# KiCad board RUSP_Mainboard.kicad_pcb (continued)
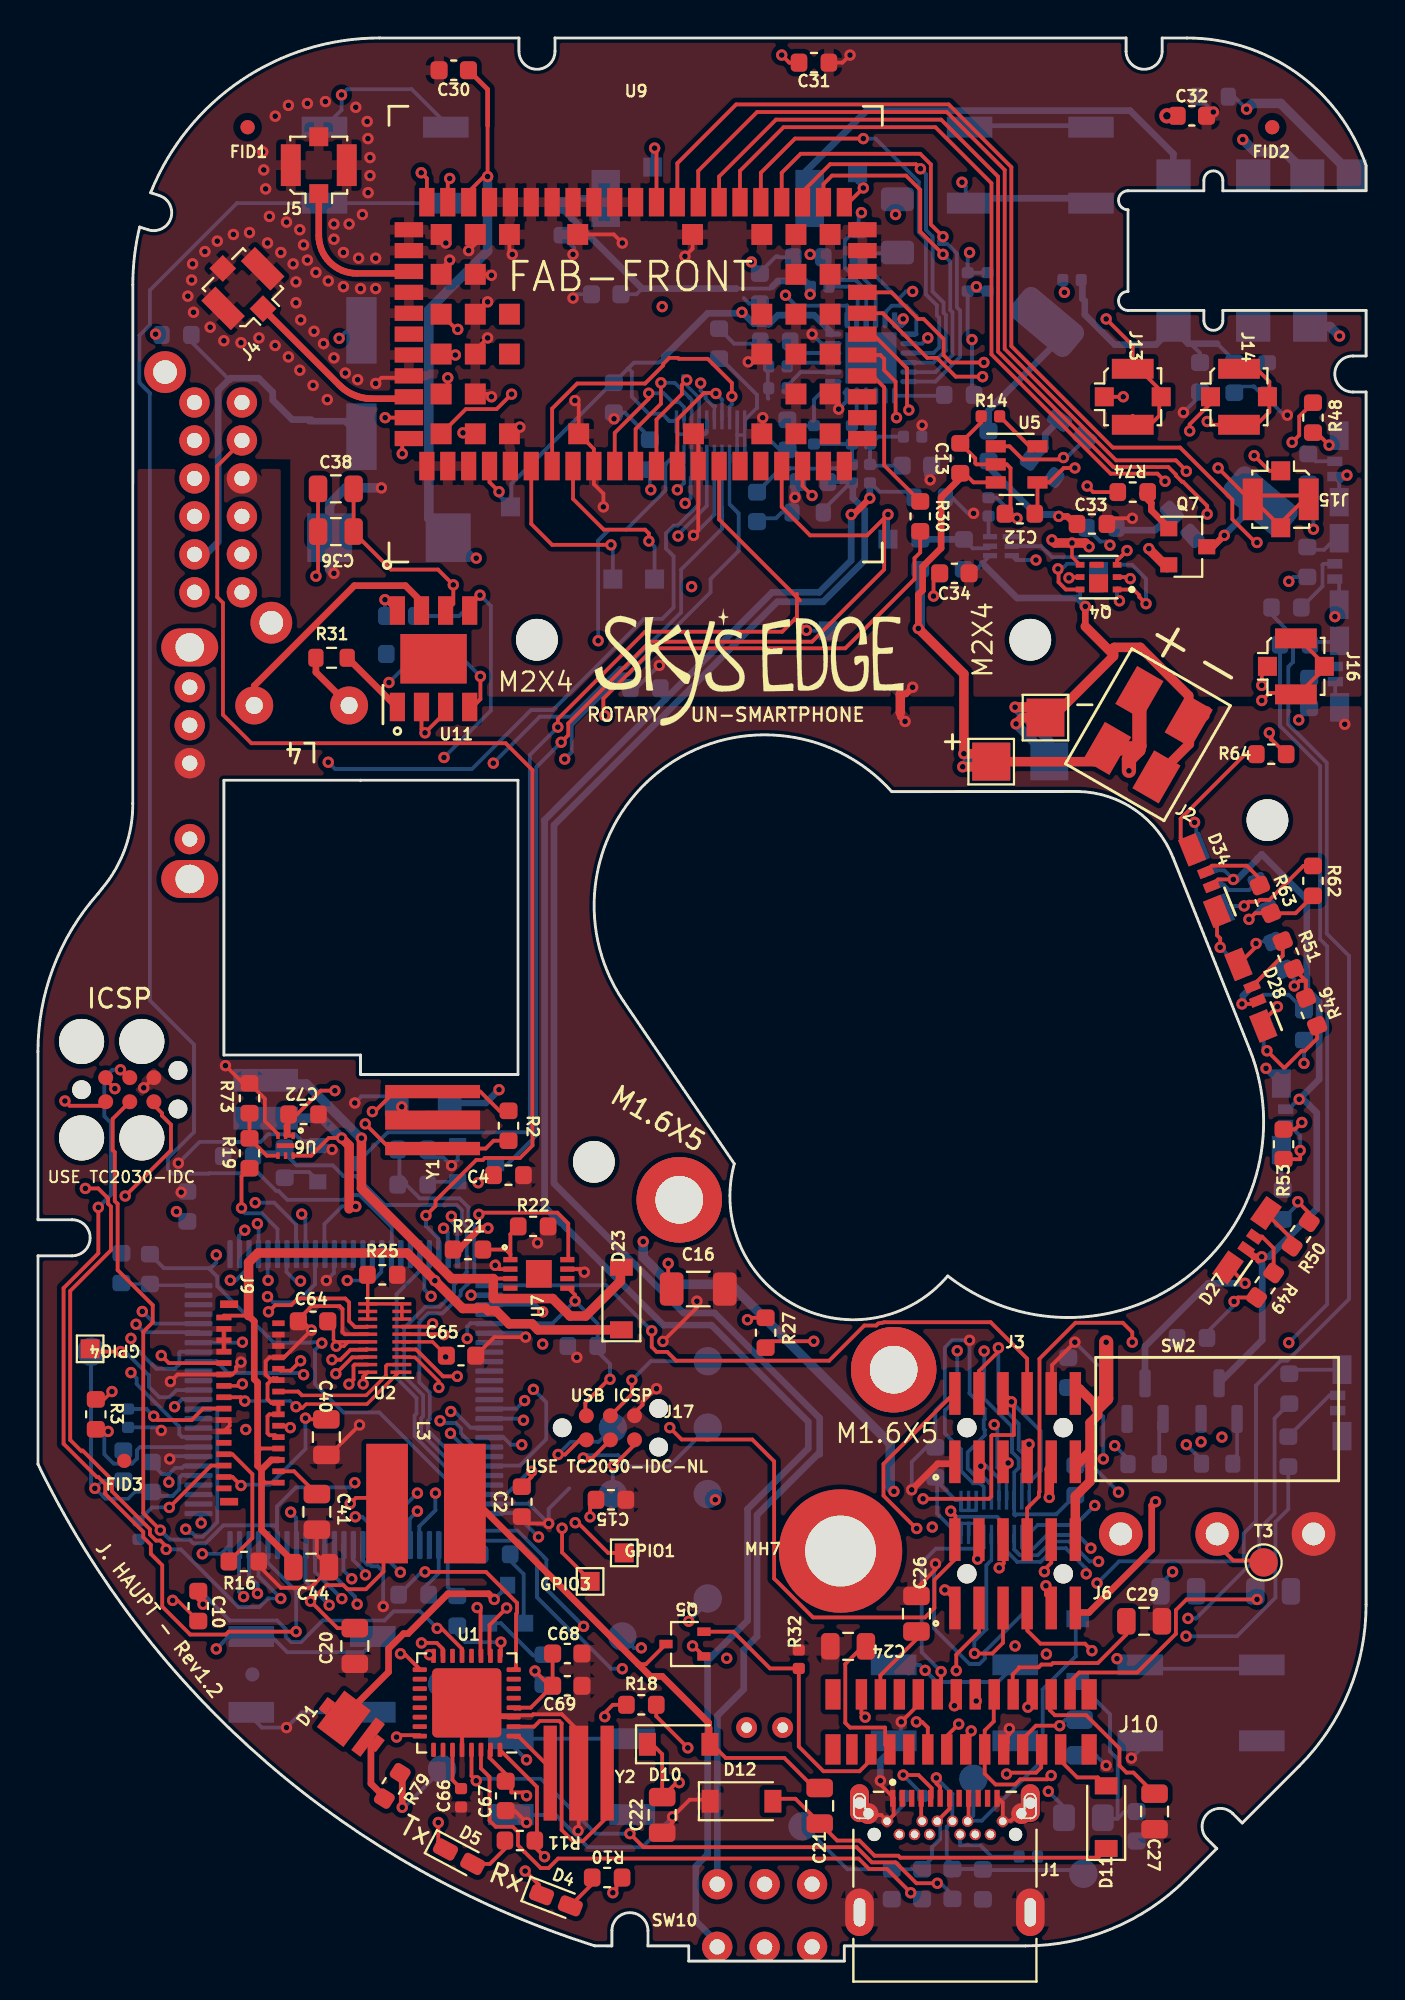
[diagram p0: board, top side]
## Routing (per net, layer and track width the routed paths; a pad name or vN(x,y) marks a point on that pad's centre or on a via; arc(x,y) is an arc through that point) (continued)
  L6_GND.Cu w0.2: v1(15.35,18.75) 14.1,20 14.1,21.95 ; R59.2 65.9,23.81 65.22,23.13 65.22,19.14 63.19,17.11 v1(60.51,17.11)
/LED_1R: length 67.6
  L2_3v3+GNDA.Cu w0.2: v1(16.02,19.09) 15.9,18.98 15.9,18.04 18.7,15.24 21.04,15.24 21.7,15.9 24.8,15.9 27.8,18.9 36.48,18.9 38.98,16.4 44.42,16.4 45.72,17.7 48.55,17.7 48.7,17.85 52.98,17.85 53.16,17.67 60.24,17.67 v1(60.61,18.05)
  L6_GND.Cu w0.2: R60.2 65.18,28.59 65.18,23.58 64.37,22.77 64.37,21.38 61.04,18.05 v1(60.61,18.05) ; 14.6,21.95 14.6,20.51 v1(16.02,19.09)
/LED_2A: length 111.5
  L2_3v3+GNDA.Cu w0.2: v1(16.83,18.8) 17.5,18.12 21.65,18.12 21.72,18.05 24.93,18.05 26.38,19.5 36.42,19.5 39.17,16.75 44.27,16.75 45.72,18.2 55.87,18.2 69.05,31.38 69.05,52.69 68.16,53.59 68.16,67.35 67.23,68.29 v1(67.23,75.42)
  L6_GND.Cu w0.2: 15.1,21.95 15.1,20.8 16.71,19.19 16.71,18.92 v1(16.83,18.8) ; 67.05,77.85 67.05,77.05 67.23,76.88 v1(67.23,75.42)
/LED_2R: length 116.3
  L1_GND+GNDA.Cu w0.2: R48.2 66.47,81.36 66.47,80.37 v1(66.1,80)
  L2_3v3+GNDA.Cu w0.2: v1(66.1,80) 63.65,77.55 63.65,71.37 67.81,67.21 67.81,53.44 68.7,52.55 68.7,32.98 58.83,23.1 58.83,21.65 55.73,18.55 45.96,18.55 45.92,18.6 45.63,18.6 44.13,17.1 39.32,17.1 36.57,19.85 24.53,19.85 24.28,19.6 21.63,19.6 21.29,19.26 18.01,19.26 17.89,19.13 17.33,19.13 17.05,19.41 17.05,19.63 v1(16.54,20.14)
  L6_GND.Cu w0.2: 16.1,21.95 16.1,20.58 v1(16.54,20.14)
/LED_3A: length 106.2
  L2_3v3+GNDA.Cu w0.2: 49.95,19 47.57,19 47.55,19.03 45.56,19.03 43.98,17.45 39.98,17.45 36.97,20.45 21.75,20.45 21.23,19.93 17.67,19.93 v1(17.26,20.34) ; 49.95,19 54.88,19 55.79,19.91 v1(55.82,19.91) ; 49.95,19 49.98,19.03
  L6_GND.Cu w0.2: R55.2 64.78,71.06 64.89,71.06 66.15,69.8 66.15,68.42 65.9,68.18 65.9,65.15 67.92,63.12 67.92,54.12 69.1,52.95 69.1,34.88 65.85,31.62 65.5,31.62 64.2,30.32 64.2,23.17 63.55,22.52 63.55,21.06 56.98,21.06 55.84,19.91 v1(55.82,19.91) ; 16.6,21.9 16.6,21.14 17.26,20.48 v1(17.26,20.34)
/LED_3R: length 107.8
  L3_3v8+GNDA.Cu w0.2: v1(65.92,72.67) 65.92,67.03 67.43,65.53 67.43,37.9 67.33,37.8 66.87,37.8 63.27,34.2 63.22,34.2 57.47,28.45 56.52,28.45 52.02,23.95 48.63,23.95 48.33,24.25 47.95,24.25 46.57,25.63 33.89,25.63 33.62,25.36 27.94,25.36 26.05,27.25 26.05,27.43 25.73,27.75 25.55,27.75 22.65,30.65 22.65,31.44 21.94,32.15 21.94,33.23 21.05,34.12 20.74,34.12 20.15,34.71 20.15,34.77 19.83,35.1 19.83,35.47 18.95,36.35 17.81,36.35 17.61,36.55 12.85,36.55 v1(10.9,38.5)
  L6_GND.Cu w0.2: R56.2 66.16,72.91 v1(65.92,72.67) ; v1(10.9,38.5) 10.6,38.2 10.6,37.25
/LED_4A: length 97.4
  L2_3v3+GNDA.Cu w0.2: v1(66.45,65.38) 66.51,65.31 66.51,62.01 66.6,61.92 66.6,52.78 67.65,51.73 67.65,35.38 62.28,30.01 48.33,30.01 46.5,28.17 42.92,28.17 42.75,28 37.2,28 33.11,32.09 32.71,32.09 32.5,32.3 29.68,32.3 28.63,31.25 23.4,31.25 21.73,29.58 15.3,29.58 v1(14,30.89)
  L6_GND.Cu w0.2: R57.2 66.45,65.46 v1(66.45,65.38) ; v1(14,30.89) 13.91,30.98 10.02,30.98 9.4,31.6 8.45,31.6
/LED_4R: length 90
  L2_3v3+GNDA.Cu w0.2: v1(65.92,32.57) 65.41,32.57 62.49,29.66 52.28,29.66 51.53,28.91 49.26,28.91 48.83,29.35 47.13,27.65 37.06,27.65 33.51,31.2 29.82,31.2 29.52,30.9 23.71,30.9 v1(21.76,28.95)
  L6_GND.Cu w0.2: R58.2 65.46,65.06 67.58,62.95 67.58,53.82 67.95,53.45 67.95,34.6 v1(65.92,32.57) ; 23.75,28.1 22.8,28.1 21.95,28.95 v1(21.76,28.95)
/LED_5A: length 40.5
  L2_3v3+GNDA.Cu w0.2: v1(25.59,28.49) 26.44,27.64 26.44,27.6 26.87,27.17 26.87,26.46 27.8,25.52 58.84,25.52 v1(60.52,27.2)
  L6_GND.Cu w0.2: v1(60.52,27.2) 61.33,26.4 R42.2 ; U4.90 25.5,28.57 v1(25.59,28.49)
/LED_5R: length 36.9
  L2_3v3+GNDA.Cu w0.2: v1(56.75,27.15) 56.07,27.15 55.54,26.62 52.06,26.62 51.78,26.9 43.64,26.9 43.54,26.8 35.58,26.8 34.88,26.1 32.49,26.1 31.35,27.25 27.28,27.25 26.79,27.74 26.79,28.39 v1(25.65,29.52)
  L6_GND.Cu w0.2: R43.2 57.45,26.45 v1(56.75,27.15) ; 23.75,29.1 25.23,29.1 v1(25.65,29.52)
/LED_BELL: length 1.4
  L6_GND.Cu w0.2: 22.1,21.95 23.05,21.95 23.4,21.6
/LED_FILAMENT: length 88
  L1_GND+GNDA.Cu w0.2: 57.21,77.38 55.62,77.38 v1(55.3,77.7)
  L4_GND.Cu w0.2: v1(55.3,77.7) 54.35,76.75 54.35,75.87 54.03,75.55 53.35,75.55 51.81,74.01 32.7,74.01 28.62,69.93 28.62,62.67 27.45,61.49 27.45,45.25 24.01,41.81 24.01,40.76 23.86,40.61 ; 23.9,40.65 23.55,40.3 22.9,40.3 22.34,39.74 22.34,38.68 18.25,34.58 14.37,34.58 13.5,33.71 13.5,32.4 12.1,31 9,31 v1(7.2,29.2)
  L6_GND.Cu w0.2: v1(7.2,29.2) 7.6,29.6 8.45,29.6
/LED_STAT: length 99.9
  L4_GND.Cu w0.2: v1(56.5,74.59) 56.5,73.3 55.1,71.9 47.98,71.9 47.13,71.05 31.94,71.05 31.09,71.9 28.97,69.79 28.97,62.52 27.8,61.35 27.8,45.1 24.36,41.66 24.36,40.61 23.63,39.88 22.98,39.88 22.69,39.6 22.69,35.62 22.6,35.62 22.28,35.3 22.28,35.18 21.43,34.33 20.63,34.33 19.7,33.4 19.7,31.9 15.92,28.12 15.05,28.12 12.53,25.6 10.35,25.6 7.79,23.04 v1(7.79,22.75)
  L6_GND.Cu w0.2: R44.2 55.99,74.78 56.31,74.78 v1(56.5,74.59) ; v1(7.79,22.75) 7.99,22.55 8.14,22.55 8.33,22.35 8.68,22.35 9.45,23.13 9.45,29.05 9.4,29.1 8.7,29.1
/MCURX-TO-FTDITX: length 2.8
  L6_GND.Cu w0.2: 21.6,21.9 21.6,19.7 22.05,19.25
/MCUTX-TO-FTDIRX: length 2.7
  L6_GND.Cu w0.2: 20.29,19.6 21.12,20.44 U4.3
/MISO: length 99.4
  L1_GND+GNDA.Cu w0.2: v1(51.14,26.24) 50.96,26.06 50.86,26.06 ; J7.1 3.36,45.05 1.67,45.05 v1(1.42,45.31) ; 2.3,26.85 1.7,27.45 1.7,35.3 3.85,37.45 3.85,39.74 3.7,39.89 3.7,40.18 3.18,40.7 v1(2.5,40.7) ; 2.35,26.9 3.9,25.35 3.9,24.75 5.9,22.75 5.9,22.47 6.22,22.15 6.45,22.15 6.76,21.84 v1(6.76,21.69)
  L2_3v3+GNDA.Cu w0.2: 34.1,18.2 28.2,18.2 25.2,15.2 21.99,15.2 21.33,14.54 17.79,14.54 13.22,19.1 v1(12.8,19.1) ; 34.1,18.2 35.63,18.2 38.13,15.7 44.71,15.7 46,17 48.84,17 48.94,17.1 49.73,17.1 49.78,17.05 51.05,17.05 v1(51.5,16.6) ; 34.1,18.2 34.1,18.1 v1(34.3,17.9) ; v1(2.5,40.7) 3.9,42.1 3.9,44 2.85,45.05 1.67,45.05 v1(1.42,45.31)
  L5_3v8.Cu w0.2: 51.45,16.85 51.45,16.5 ; 51.45,16.85 51.45,16.85 ; 51.45,16.85 51.45,19.6 51.62,19.77 51.62,25.75 v1(51.14,26.24)
  L6_GND.Cu w0.2: U4.22 11.62,20.28 v1(12.8,19.1) 12.13,19.1 11.68,18.65 10.57,18.65 7.53,21.69 v1(6.76,21.69) ; v1(34.3,17.9) 35.3,18.9 MISO1.1
/MOSI: length 135.1
  L1_GND+GNDA.Cu w0.18: 6.4,21 5.95,21.45
  L1_GND+GNDA.Cu w0.2: 49.59,30.13 49.59,31.08 50.62,32.11 v1(50.62,32.31) ; v1(4.35,46.95) 4.77,46.53 J7.4 ; v1(3.18,39.7) 3.18,37.28 1.35,35.45 1.35,27.25 3.1,25.5 3.18,25.5 3.55,25.13 3.55,24.67 3.52,24.64 5.55,22.6 5.55,22.33 5.95,21.93 5.95,21.45 6.55,20.85 6.55,18.67 8.03,17.2 9.9,17.2 10.06,17.36 v1(13.61,17.36) ; v1(12.15,34.2) 12.5,34.55 13.35,34.55 13.7,34.9 16.2,34.9 16.4,34.7 16.4,33.71 16.71,33.4 17.3,33.4 17.32,33.42 U2.14
  L2_3v3+GNDA.Cu w0.2: v1(31.8,16.5) 31.25,15.95 28.76,15.95 26.96,14.15 22.43,14.15 21.76,13.48 17.48,13.48 v1(13.61,17.36) 12.16,18.8 12.16,30.46 12.3,30.6 12.3,34.05 v1(12.15,34.2)
  L3_3v8+GNDA.Cu w0.2: v1(47.13,22.86) 47.13,22.44 46.45,21.75 46.45,19.55 44.15,17.25 32.55,17.25 v1(31.8,16.5)
  L5_3v8.Cu w0.2: v1(50.62,32.31) 50.62,28.87 50.95,28.54 50.95,28 49.57,26.62 49.44,26.62 47.28,24.45 47.28,24.18 47.21,24.11 47.21,22.93 v1(47.13,22.86)
  L6_GND.Cu w0.18: U8.19 51.85,25.64
  L6_GND.Cu w0.2: v1(13.61,17.36) 13.61,19.49 12.1,21 12.1,21.95 ; MOSI1.1 31.4,16.5 v1(31.8,16.5) ; v1(50.62,32.31) 50.62,29.37 51.68,28.3 51.68,26.96 52.04,26.61 52.04,25.83 51.85,25.64 ; v1(4.35,46.95) 3.93,46.95 3.5,46.53 3.5,44.5 3.85,44.15 3.85,40.37 v1(3.18,39.7)
/NET_STAT: length 66
  L1_GND+GNDA.Cu w0.2: v1(29.87,65.6) 29.8,65.6 29.8,66.5 32.45,69.15 42.55,69.15 46.2,72.8 46.2,73.9 46.5,74.2 R30.2
  L4_GND.Cu w0.2: v1(29.87,65.6) 29.87,62.43 28.5,61.06 28.5,44.8 25.06,41.36 25.06,32.29 26.66,30.69 26.66,29.89 26.3,29.53 26.3,28 v1(25.5,27.2)
  L6_GND.Cu w0.2: v1(25.5,27.2) 24.92,27.2 24.5,27.62 23.83,27.62
/OFFSIGNAL: length 62
  L1_GND+GNDA.Cu w0.2: 10.8,80.1 9.45,78.75 9.45,71.85 9.75,71.55 9.75,65.65 11.25,64.15 24.65,64.15 26.07,62.73 26.07,42.97 25.4,42.3 23.55,42.3 23.45,42.2 23.1,42.2 20.95,40.05 20.95,39.78 v1(20.45,39.27)
  L6_GND.Cu w0.2: v1(20.45,39.27) 20.45,38.71 21.1,38.06 21.1,37.25
/OLED DRIVER/OLED_CS_3V3: length 10.3
  L1_GND+GNDA.Cu w0.18: v1(13.6,29.2) 13.82,29.2 13.88,29.14 13.94,29.14 14.14,29.34 17.34,29.34 19.02,31.02 U2.1
  L1_GND+GNDA.Cu w0.2: J9.17 10.7,29.7 v1(10.9,29.5)
  L6_GND.Cu w0.18: v1(13.6,29.2) 13.3,29.5 v1(10.9,29.5)
/OLED DRIVER/OLED_DC_3V3: length 14.9
  L1_GND+GNDA.Cu w0.18: v1(21.13,30.22) 21.13,30.54 19.87,31.8 19.3,31.8 19.28,31.82 U2.3 ; J9.19 10.5,30.3 10.6,30.4 v1(10.78,30.4)
  L3_3v8+GNDA.Cu w0.18: v1(10.78,30.4) 11.28,29.9 15.08,29.9 15.48,29.5 17.56,29.5 18.08,30.03 18.53,30.03 18.56,30 20.91,30 v1(21.13,30.22)
/OLED DRIVER/OLED_IREF: length 7
  L1_GND+GNDA.Cu w0.2: R16.1 11.3,22.29 11.3,25.65 10.25,26.7 J9.7
/OLED DRIVER/OLED_MOSI_3V3: length 20.7
  L1_GND+GNDA.Cu w0.2: v1(6.5,31.9) 6.9,31.5 J9.23 ; U2.7 20.65,33.42 v1(20.8,33.57)
  L3_3v8+GNDA.Cu w0.2: v1(20.8,33.57) 20.07,34.3 13.7,34.3 13.3,33.9 12.63,33.9 11.88,33.15 8.85,33.15 7.6,31.9 v1(6.5,31.9)
/OLED DRIVER/OLED_RES_3V3: length 7.6
  L1_GND+GNDA.Cu w0.18: 13.91,29.8 17.3,29.8 18.34,30.84 18.34,31.35 18.41,31.42 U2.2
  L1_GND+GNDA.Cu w0.2: J9.18 13.71,30 13.91,29.8
/OLED DRIVER/OLED_SCL_3V3: length 14.6
  L1_GND+GNDA.Cu w0.2: v1(22.1,30.8) 21.35,30.8 19.93,32.22 U2.4 ; v1(13.84,31.62) 13.32,31.1 12.8,31.1 12.7,31.2 J9.22
  L3_3v8+GNDA.Cu w0.2: v1(22.1,30.8) 18.38,30.8 17.42,29.84 15.62,29.84 14.55,30.91 14.55,31.12 14.23,31.44 14.03,31.44 13.76,31.7
/OLED DRIVER/OLED_VCOMH: length 2.5
  L1_GND+GNDA.Cu w0.2: J9.4 13.5,25.8 C41.1
/OLED DRIVER/OLED_VLOGIC: length 5.7
  L1_GND+GNDA.Cu w0.2: J9.5 9.13,26.1 v1(6.92,23.9)
  L6_GND.Cu w0.2: C45.2 6.01,23.9 v1(6.92,23.9)
/OLED DRIVER/OLED_VP: length 8.1
  L1_GND+GNDA.Cu w0.2: v1(14.1,28.6) 14.16,28.54 C40.1 ; J9.3 10.25,25.5 v1(10.7,25.05)
  L6_GND.Cu w0.2: v1(14.1,28.6) 14.1,26.98 12.22,25.1 10.7,25.1 v1(10.7,25.05)
/OLED_CS: length 16
  L1_GND+GNDA.Cu w0.2: v1(17.14,30.4) 17.14,30.78 U2.20
  L2_3v3+GNDA.Cu w0.2: v1(26.6,34.2) 26.5,34.1 25.8,34.1 25.78,34.12 18.72,34.12 17.14,32.54 v1(17.14,30.4)
  L6_GND.Cu w0.2: U4.78 26.23,34.57 v1(26.6,34.2)
/OLED_DC: length 14.7
  L1_GND+GNDA.Cu w0.2: v1(15.7,30.94) 16.56,31.8 17.1,31.8 17.12,31.82 U2.18
  L5_3v8.Cu w0.2: v1(11.57,38.84) 11.8,38.61 11.8,36.3 11.5,36 11.5,33.95 11.85,33.6 13.14,33.6 14.9,31.84 14.9,31 14.96,30.94 v1(15.7,30.94)
  L6_GND.Cu w0.2: U4.54 11.62,38.78 v1(11.57,38.84)
/OLED_RES: length 13.5
  L1_GND+GNDA.Cu w0.2: U2.19 16.69,31.42 16.63,31.36 16.63,30.63 v1(16.39,30.39)
  L5_3v8.Cu w0.2: v1(10.14,35.86) 10.1,35.82 10.1,35.5 10.45,35.15 10.45,34.45 12.65,32.25 13.99,32.25 14.55,31.69 14.55,30.85 15.01,30.39 v1(16.39,30.39)
  L6_GND.Cu w0.2: U4.53 11.12,37.22 11.1,37.2 11.1,36.52 10.44,35.86 v1(10.14,35.86)
/PDn: length 40.9
  L1_GND+GNDA.Cu w0.2: 53.4,22.44 53.4,20.98 53.05,20.62 v1(53.05,20.51)
  L2_3v3+GNDA.Cu w0.2: v1(19.1,20.48) 19.67,21.05 37.07,21.05 40.1,18.03 43.67,18.03 45.87,20.22 48.1,20.22 48.1,20.04 48.64,19.5 52.03,19.5 v1(53.05,20.51)
  L6_GND.Cu w0.2: v1(19.1,20.48) 18.6,20.98 18.6,21.95
/POWSW4: length 86.8
  L1_GND+GNDA.Cu w0.5: v1(53.3,24.42) 53.3,25.9 53.42,26.03
  L2_3v3+GNDA.Cu w0.5: v1(31.9,37.9) 31.2,38.6 29.3,38.6 26.7,41.2 26.7,63.3 21.23,68.77 11.1,68.77 9.55,70.33 9.55,74.95 8.3,76.2 ; v1(53.3,24.42) 52.73,23.85 49.05,23.85 48.42,24.48 47.89,24.48 46.96,23.55 46.31,23.55 v1(45.12,24.74)
  L6_GND.Cu w0.5: v1(45.12,24.74) 44.92,24.94 44.92,27.25 36.52,35.65 33.33,35.65 31.9,37.08 v1(31.9,37.9)
/RELAY_OFF: length 50.3
  L1_GND+GNDA.Cu w0.2: v1(49.52,21.18) 49.55,21.2 49.55,22.15
  L2_3v3+GNDA.Cu w0.2: v1(12.13,35.86) 12.43,36.16 12.79,36.16 13.29,35.65 13.29,30.61 15,28.9 17.09,28.9 19.11,26.88 21.24,26.88 24,24.11 29.76,24.11 29.83,24.05 34.25,24.05 35.3,25.1 43.76,25.1 45.76,23.1 45.76,22.53 46.81,21.48 49.22,21.48 v1(49.52,21.18)
  L6_GND.Cu w0.2: v1(12.13,35.86) 12.1,35.88 12.1,37.25
/RESET: length 49.3
  L1_GND+GNDA.Cu w0.18: C10.2 7.36,19 v1(7.1,19)
  L1_GND+GNDA.Cu w0.2: J7.5 6.11,45.09 6.53,44.67 6.53,44.53 7.01,44.06 7.01,42.71 v1(4.6,40.3)
  L2_3v3+GNDA.Cu w0.2: v1(3,24.9) 4.9,24.9 6.3,23.5 5.9,23.1 5.9,20.1 7,19 v1(7.1,19)
  L3_3v8+GNDA.Cu w0.2: v1(3,24.9) 2.7,25.2 2.7,29.43 3.2,29.93 3.2,38.9 v1(4.6,40.3)
  L6_GND.Cu w0.18: C1.1 3.41,25.31 v1(3,24.9) 3.55,24.35 4.75,24.35 5.11,24.71 R1.1
  L6_GND.Cu w0.2: v1(3,24.9) 2.8,25.1 RES1.1 ; 8.4,25.6 7.6,25.6 7.45,25.45 7.45,24.85 7.1,24.5 6.5,24.5 6,25 6,25.01
/RINGER+: length 60
  L1_GND+GNDA.Cu w0.2: 22.7,65.85 23.32,66.47 v1(23.32,67.67)
  L5_3v8.Cu w0.2: v1(4.9,32.8) 5.59,32.8 8.1,35.31 8.1,42.97 6.53,44.53 6.53,47.27 7.03,47.76 7.03,53.77 5.5,55.3 5.5,58.9 11,64.4 17.41,64.4 18.5,65.49 v1(18.5,67.35)
  L6_GND.Cu w0.2: 8.45,32.1 7.5,32.1 7.45,32.05 7.45,31.44 7.21,31.2 6.24,31.2 4.9,32.54 v1(4.9,32.8) ; v1(23.32,67.67) 22.14,68.85 R23.1 19.94,68.79 v1(18.5,67.35)
/RINGER-: length 63.2
  L1_GND+GNDA.Cu w0.2: v1(23.3,71.95) 22.75,71.4 22.75,71
  L5_3v8.Cu w0.2: v1(10.78,32.6) 10.78,33.42 9.9,34.3 9.9,34.25 8.48,35.67 8.48,52.82 5.85,55.44 5.85,58.5 11.25,63.9 20.9,63.9 v1(21.4,63.4)
  L6_GND.Cu w0.2: U4.44 10.75,32.57 v1(10.78,32.6) ; R24.1 22.2,70.85 v1(23.3,71.95) 23.87,71.38 23.87,65.87 v1(21.4,63.4)
/SCK: length 97.3
  L1_GND+GNDA.Cu w0.2: v1(51.31,29.46) 51.3,29.45 51,29.45 ; 4.2,39.9 4.2,36.4 6.05,34.55 6.05,33.65 5.55,33.15 5.55,23.6 v1(6.45,22.7) ; U2.17 17.32,32.22 17.3,32.2 16.47,32.2 15.94,31.68 v1(15.49,31.68) ; 4.2,39.89 4.05,40.04 4.05,42.61 3.94,42.72 3.94,44.36 J7.3 ; v1(46.65,24.35) 50.13,24.35 50.24,24.47 50.24,27.66 50.29,27.71 51.44,27.71 51.44,29.39 50.8,30.03
  L3_3v8+GNDA.Cu w0.2: 35.62,24.92 21.88,24.92 21.6,25.2 v1(16.7,25.2) ; 35.62,24.92 35.62,24.38 v1(35.7,24.3) ; 35.62,24.92 35.85,25.15 43.89,25.15 44.99,24.05 46.35,24.05 v1(46.65,24.35)
  L5_3v8.Cu w0.2: v1(15.49,31.68) 16.64,31.68 17.7,30.62 17.7,26.2 v1(16.7,25.2)
  L6_GND.Cu w0.18: U8.20 52.25,25.15 52.21,25.19
  L6_GND.Cu w0.2: v1(6.45,22.7) 6.95,22.2 7.99,22.2 8.19,22 8.82,22 9.77,22.95 12.45,22.95 12.6,22.8 ; v1(16.7,25.2) 16.45,24.95 13.6,24.95 12.6,23.95 12.6,22.8 ; 12.6,22.8 12.6,22.1 ; SCK1.1 35.4,24.6 v1(35.7,24.3) ; 52.21,25.19 52.85,25.83 52.85,27.92 v1(51.31,29.46)
/SD_CD: length 37.5
  L1_GND+GNDA.Cu w0.2: v1(52.23,27.22) 52.23,26.16 52.14,26.06
  L3_3v8+GNDA.Cu w0.2: v1(52.23,27.22) 52.23,26.55 50.91,25.23 48.84,25.23 48.77,25.3 48.5,25.3 47.1,26.7 37.5,26.7 32.9,31.3 30.02,31.3 29.79,31.53 29.79,32.1 29.82,32.13 26.75,35.2 22.95,35.2 v1(22.83,35.07)
  L6_GND.Cu w0.2: 23.87,35.1 22.85,35.1 v1(22.83,35.07)
/SD_CS: length 33.7
  L1_GND+GNDA.Cu w0.2: 52.14,30.13 52.14,31.73 50.21,33.65 44.6,33.65 44.45,33.62 44.45,33.61 44.29,33.58 44.18,33.48 43.55,33.48 41.7,31.62 33.63,31.62 33.17,32.09 32.61,32.09 32.35,32.35 v1(32.35,33.2)
  L6_GND.Cu w0.2: 23.8,35.6 29.95,35.6 v1(32.35,33.2)
/SIM_CLK: length 110.9
  L1_GND+GNDA.Cu w0.2: 52.14,22.44 52.14,23.85 52.76,24.47 52.76,24.69 52.78,24.72 52.78,31.73 54.68,33.62 57.17,33.62 57.67,33.12 v1(57.67,32.6) ; U9.38 37,94.3 39.3,96.6 47.3,96.6 50.25,93.65 50.25,84.63 56.54,78.35 59,78.35 v1(59.4,77.95) 59.48,77.95
  L2_3v3+GNDA.Cu w0.2: v1(59.4,77.95) 59.4,73.45 65.9,66.95 65.9,64.57 66.08,64.4 66.08,61.96 66.25,61.78 66.25,55.62 65.67,55.04 65.67,51.14 66.18,50.63 66.18,46.47 67.16,45.49 67.16,43.86 67.1,43.8 67.1,36.25 62.87,32.02 58.25,32.02 v1(57.67,32.6)
/SIM_IO: length 111.7
  L1_GND+GNDA.Cu w0.2: 53.4,19.01 53.13,19.29 v1(53.13,19.77) ; U9.39 35.9,94 38.9,97 47.6,97 50.6,94 50.6,84.78 56.68,78.7 59.58,78.7 59.98,78.3 59.98,78.25 60.3,77.93 60.35,77.93 61.62,76.65 v1(61.62,76.22) 61.62,76.2
  L2_3v3+GNDA.Cu w0.2: v1(61.62,76.22) 61.62,76.15 61.98,75.8 61.98,72.05 67.06,66.96 67.06,53.01 68,52.07 68,33.5 62.65,28.15 62.1,28.15 v1(61.3,27.35)
  L3_3v8+GNDA.Cu w0.2: v1(53.13,19.77) 53.84,19.05 55.95,19.05 61.28,24.38 61.28,27.33 v1(61.3,27.35)
/SIM_RST: length 117.6
  L1_GND+GNDA.Cu w0.2: v1(60.52,78.47) 60.52,78.5 59.98,79.05 56.83,79.05 50.95,84.92 50.95,94.35 47.9,97.4 37.9,97.4 34.8,94.3 U9.40 ; v1(55.55,16.35) 55.18,16.72 52.83,16.72 52.15,17.4 52.15,18.3
  L2_3v3+GNDA.Cu w0.2: v1(62.4,27.6) 62.67,27.6 68.35,33.28 68.35,52.35 67.46,53.24 67.46,67.07 63.1,71.42 63.1,72.42 63.15,72.47 63.15,72.93 63.1,72.98 63.1,75.9 v1(60.52,78.47)
  L3_3v8+GNDA.Cu w0.2: v1(62.4,27.6) 61.83,27.03 61.83,24.44 55.55,18.16 v1(55.55,16.35)
/SW_CLEAR: length 90.7
  L2_3v3+GNDA.Cu w0.2: v1(34.45,72.4) 35.1,73.05 35.1,76.88 33.38,78.59 33.38,86.67 v1(32.9,87.15)
  L5_3v8.Cu w0.2: v1(16.3,35.85) 17.84,35.85 21,39.01 21,40 24.5,43.5 24.5,44.3 26,45.8 26,60.7 34.6,69.3 34.6,72.2 34.45,72.35 v1(34.45,72.4) ; v1(48.7,93.7) 47.92,93.7 42.77,88.55 36.79,88.55 35.9,87.66 35.9,87.5 35.55,87.15 v1(32.9,87.15)
  L6_GND.Cu w0.2: v1(16.3,35.85) 17.65,35.85 18.1,36.3 18.1,37.25 ; v1(48.7,93.7) 48.9,93.5 48.9,92.6
  L6_GND.Cu w0.35: 55.57,92.5 55.21,92.86 49.16,92.86 48.9,92.6
/SW_HOOK: length 80.9
  L6_GND.Cu w0.2: 21.7,92.6 14.6,92.6 ; 14.9,92.6 10.49,92.6 5.9,88.01 5.9,86.18 5.35,85.63 5.35,83.14 5.9,82.59 5.9,50.6 8.23,48.27 8.23,43.67 6.85,42.29 6.85,41.72 7.09,41.48 9.02,41.48 9.04,41.5 11.62,41.5 12.55,40.57 12.67,40.57 13.15,40.1 16.13,40.1 16.37,40.35 16.96,40.35 18.65,38.66 18.65,37.33
/SW_MODE1: length 35
  L4_GND.Cu w0.2: v1(11.45,39.95) 11.45,40.2 8.4,43.25 8.4,48.99 5.32,52.06 5.32,64.42 SW1.4
  L6_GND.Cu w0.2: 13.6,37.23 13.6,38.8 12.45,39.95 v1(11.45,39.95)
/SW_MODE2: length 32.4
  L4_GND.Cu w0.2: 8.4,65.1 6,62.7 6,55.32 8.75,52.57 8.75,43.68 13.08,39.35 v1(13.9,39.35)
  L6_GND.Cu w0.2: v1(13.9,39.35) 14.1,39.15 14.1,37.49
/SW_MODE3: length 35.7
  L3_3v8+GNDA.Cu w0.2: v1(12.1,35) 9.7,35 6.6,38.1 6.6,42.04 8.23,43.67 8.23,48.77 6.7,50.3 6.6,50.3 6,50.9 6,57.83 7.27,59.1 8.4,59.1
  L6_GND.Cu w0.2: v1(12.1,35) 12.4,34.7 13.65,34.7 14.6,35.65 14.6,37.25
/SW_MULTI1: length 61.1
  L2_3v3+GNDA.Cu w0.2: v1(56.87,15.93) 56.11,15.17 49.57,15.17 48.85,15.9 46.57,15.9 44.79,14.12 29.08,14.12 28.57,13.61 22.39,13.61 21.91,13.13 17.02,13.13 12.21,17.94 12.1,17.94 11.81,18.23 11.81,19.12 v1(11.57,19.36)
  L6_GND.Cu w0.2: SW3.1 57.2,15.6 v1(56.87,15.93) ; v1(11.57,19.36) 11.57,19.83 11.12,20.28 U4.23 ; 64.7,15.6 64.5,15.4 57.9,15.4
/SW_MULTI2: length 54.4
  L2_3v3+GNDA.Cu w0.2: v1(46.76,15.31) 46.48,15.31 44.94,13.77 33.39,13.77 29.67,10.05 19,10.05 8.66,20.39 v1(8.66,21.45)
  L6_GND.Cu w0.2: v1(8.66,21.45) 9.65,21.45 10.1,21.9 ; SW6.1 46.47,15.6 v1(46.76,15.31) 47.37,14.7 50.6,14.7 SW6.1
/SW_MULTI3: length 29.9
  L2_3v3+GNDA.Cu w0.2: v1(25.75,10.6) 18.94,10.6 10.84,18.7 v1(10.84,19.2)
  L6_GND.Cu w0.2: 24.73,11.71 31.61,11.71 ; v1(10.84,19.2) 10.6,19.44 10.6,21.95 ; v1(25.75,10.6) 24.95,11.4 24.95,11.65
/SW_MULTI4: length 17.3
  L3_3v8+GNDA.Cu w0.2: v1(8.6,23.07) 9.4,22.28 v1(9.4,16.44)
  L6_GND.Cu w0.2: SW8.1 10.06,17.1 v1(9.4,16.44) ; 18,17.1 17.17,16.27 13.14,16.27 12.31,17.1 11.05,17.1 ; 8.5,23.6 8.6,23.5 v1(8.6,23.07)
/SW_ROTARY: length 60
  L1_GND+GNDA.Cu w0.2: 64.8,21.1 63,21.1 62.2,21.9 62.2,22.5
  L2_3v3+GNDA.Cu w0.2: 62.25,22.35 62.25,17.92 60.89,16.56 58.84,16.56 58.5,16.9 52.61,16.9 51.76,16.05 51.24,16.05 50.89,16.4 49.94,16.4 49.59,16.75 49.09,16.75 48.99,16.65 46.15,16.65 44.8,15.3 36.95,15.3 v1(36.3,15.95)
  L5_3v8.Cu w0.2: v1(20,23.7) 20,23.6 19.8,23.4 19.8,21.89 22.6,19.09 22.6,17.25 23.9,15.95 v1(36.3,15.95)
  L6_GND.Cu w0.2: 19.6,21.95 19.6,23.3 v1(20,23.7)
/USB PORT AND BRIDGE/16U2_MISO: length 20.6
  L1_GND+GNDA.Cu w0.2: J17.1 28.56,27.46 27.78,26.68 v1(27.42,26.68) ; 20.15,15.35 19.36,16.14 19.1,16.14
  L4_GND.Cu w0.2: v1(27.42,26.68) 27.42,26.42 19.1,18.1 19.1,16.2 v1(19.11,16.19)
  L6_GND.Cu w0.2: v1(27.42,26.68) 28.08,27.35 29.55,27.35 16MISO1.1
/USB PORT AND BRIDGE/16U2_MOSI: length 27
  L1_GND+GNDA.Cu w0.2: v1(20.63,16.14) 20.69,16.07 U1.16 ; v1(31.3,30.6) 31.3,29.85 J17.4
  L4_GND.Cu w0.2: v1(31.3,30.6) 31.3,29.96 28.2,26.85 28.2,26.69 20.14,18.63 20.14,17.46 19.66,16.99 19.66,16.53 20.06,16.14 v1(20.63,16.14)
  L6_GND.Cu w0.2: 16MOSI1.1 32.3,31.6 v1(31.3,30.6)
/USB PORT AND BRIDGE/16U2_RESET: length 31.1
  L1_GND+GNDA.Cu w0.2: v1(18.9,11.8) 19,11.9 20.12,11.9 ; v1(29.87,12.87) 29.87,12.93 29.8,13 30.3,13.5 R18.1 ; v1(30.34,26.1) 31.44,27.2 J17.5
  L2_3v3+GNDA.Cu w0.2: v1(29.87,12.87) 28.82,11.82 18.92,11.82 v1(18.9,11.8)
  L4_GND.Cu w0.2: v1(30.34,26.1) 30.34,25.88 30.01,25.54 29.87,25.54 v1(29.87,12.87)
  L6_GND.Cu w0.2: 16RES1.1 30.3,26.06 v1(30.34,26.1)
/USB PORT AND BRIDGE/16U2_SCK: length 24.4
  L1_GND+GNDA.Cu w0.2: J17.3 29.21,26.5 v1(28.74,26.5) ; v1(20.21,16.76) 21.02,16.76 21.33,16.46 21.33,16.07
  L4_GND.Cu w0.2: v1(20.21,16.76) 20.49,17.04 20.49,18.25 v1(28.74,26.5)
  L6_GND.Cu w0.2: 16SCK1.1 33.25,26.05 31.17,26.05 30.57,26.65 28.89,26.65 v1(28.74,26.5)
/USB PORT AND BRIDGE/FTDI-RESET: length 18.6
  L1_GND+GNDA.Cu w0.2: C10.1 8.45,19.05 v1(8.7,18.8) ; U1.13 22.35,16.45 21.27,17.53 v1(21.04,17.53)
  L6_GND.Cu w0.2: v1(8.7,18.8) 8.55,18.95 8.55,19.5 10.11,17.94 12.61,17.94 13.06,17.49 13.06,17.09 13.34,16.81 13.87,16.81 15.01,17.94 18.26,17.94 18.75,18.42 20.14,18.42 v1(21.04,17.53)
/USB PORT AND BRIDGE/FTDI-RX: length 10.6
  L1_GND+GNDA.Cu w0.2: U1.8 25.2,15.47 25.2,18.29 25.25,18.34 25.25,18.86 23.61,20.5 v1(20.4,20.5)
  L6_GND.Cu w0.2: 19.31,19.6 20.21,20.5 v1(20.4,20.5)
/USB PORT AND BRIDGE/FTDI-TX: length 3.6
  L1_GND+GNDA.Cu w0.2: 24.4,16.07 v1(24.4,16.8)
  L6_GND.Cu w0.2: v1(24.4,16.8) 22.52,16.8 22.1,17.22 R8.1
/VSIM: length 117.7
  L1_GND+GNDA.Cu w0.2: 50.86,22.44 50.86,22.99 50.9,23.03 50.9,20.95 v1(50.66,20.71) ; U9.41 33.7,94.7 36.8,97.8 48,97.8 51.3,94.5 51.3,85.07 56.64,79.72 60.2,79.72 62.95,76.98 62.95,75.95 64.18,74.72 v1(64.25,74.72)
  L3_3v8+GNDA.Cu w0.2: v1(64.25,74.72) 64.65,74.72 66.47,72.9 66.47,66.98 67.77,65.68 67.77,37.7 67.3,37.22 67.3,35.15 57.98,25.82 57.98,24.65 57.48,24.15 56.33,24.15 55.93,24.55 54.5,24.55 v1(50.66,20.71)
LL_OE: length 141.9
  L1_GND+GNDA.Cu w0.2: 50.86,18.36 50.86,16.77 50.3,16.2 v1(49.36,16.2) ; v1(21.39,33) 21.37,33.02 U2.6
  L2_3v3+GNDA.Cu w0.2: v1(30.8,15.4) 31.25,14.95 44.94,14.95 46.24,16.25 49.31,16.25 v1(49.36,16.2)
  L3_3v8+GNDA.Cu w0.2: v1(34.93,83.12) 34.93,82.8 28.31,76.18 28.31,49.11 26.7,47.5 26.7,45.9 25.3,44.5 19.58,44.5 16.18,41.1 11.38,41.1 9.4,39.12 v1(9.4,37.2) ; v1(21.39,33) 20.19,33 ; v1(14.96,32.55) 15.36,32.95 20.1,32.95
  L6_GND.Cu w0.18: 50.25,21.11 U8.6 ; U10.6 35.65,81.85 35.7,81.9
  L6_GND.Cu w0.2: v1(49.36,16.2) 49.36,16.86 49.99,17.49 49.99,20.86 50.25,21.11 ; 9.05,36.45 9,36.5 6.64,36.5 R29.2 ; 9.05,36.45 9.45,36.05 9.45,35.55 12.42,32.58 14.44,32.58 ; 9.05,36.45 9.4,36.8 v1(9.4,37.2) ; 14.4,32.6 14.91,32.6 v1(14.96,32.55) 14.6,32.19 14.6,30.4 16.1,28.9 17.99,28.9 22.4,24.49 22.4,23.11 23.35,22.15 25.3,22.15 26.3,21.15 26.3,19.16 28.26,17.2 28.41,17.2 30.21,15.4 v1(30.8,15.4) ; v1(34.93,83.12) 34.93,82.73 35.19,82.47 35.19,82.31 35.6,81.9 35.7,81.9
Net-(C7-Pad1): length 10
  L6_GND.Cu w0.2: 56.9,7.5 56.1,7.5 ; 56.9,7.5 56.9,10.65 56.5,11.05 56.5,13 54.8,14.7 ; 56.9,7.5 57.27,7.88 C7.1
Net-(C8-Pad1): length 11.7
  L1_GND+GNDA.Cu w0.2: 48.05,8.6 48.05,8.03 47.42,7.4 47.4,7.4
  L6_GND.Cu w0.2: 45,4.9 45.06,4.84 R7.2 ; 47.4,7.39 47.55,7.24 47.55,6.43 47.12,6 47.12,5.42 46.6,4.9 ; 40.35,7.15 42.66,4.84 C8.1
Net-(C9-Pad1): length 13.7
  L1_GND+GNDA.Cu w0.2: 47.55,8.6 47.55,9.16 47.35,9.36 v1(47.35,9.65)
  L6_GND.Cu w0.2: 48.2,7.4 48.2,8.8 v1(47.35,9.65) ; 48.2,7.38 47.9,7.08 47.9,5.4 48.4,4.9 ; 48.05,4.55 48.1,4.5 48.1,4.55 ; 55.1,4.8 49.83,4.8 C9.1 ; R6.2 49.85,4.85 ; 48.23,4.53 48.2,4.5
Net-(C11-Pad1): length 3.9
  L6_GND.Cu w0.2: U3.5 50.17,74.47 50.12,74.42 49.27,74.42 C11.1
  L6_GND.Cu w0.35: C11.1 R12.2
Net-(C11-Pad2): length 40.2
  L1_GND+GNDA.Cu w0.2: 61.5,65.6 61.4,65.6 61.12,65.32
  L1_GND+GNDA.Cu w0.35: 55.2,70.3 v1(55.2,71.36)
  L1_GND+GNDA.Cu w0.5: J2.1 60.68,64.11 60.68,64.97 ; v1(51.55,65.17) 51.88,65.5 TP1.1 52.55,66.05 v1(51.5,66.05) 54,66.05 56.69,68.74 56.69,69.16 56.73,69.2 58.1,69.2 60.65,66.65 J2.1 61.22,65.32 61.5,65.6 ; 61.07,65.32 61.6,65.85 ; 55.2,70.3 56.69,68.81
  L6_GND.Cu w0.2: C11.2 49.46,73.31 U3.4 ; v1(55.2,71.36) 54.92,71.64 Q3.4
  L6_GND.Cu w0.35: v1(55.2,71.36) 54.76,71.8 51.6,71.8 49.77,73.63
  L6_GND.Cu w0.5: v1(51.55,65.17) 53.3,63.42 53.3,64.25 v1(51.5,66.05)
Net-(C14-Pad1): length 21.7
  L6_GND.Cu w0.2: 10.15,83.23 7.75,85.63
  L6_GND.Cu w0.35: 14.3,81.11 16.19,81.11 16.9,80.4 ; 8.7,73.95 9.5,74.75 9.5,82.74 10.14,83.38 11.64,83.38 12.38,82.64 12.38,82.22 13.4,81.2 14.4,81.2
Net-(C21-Pad1): length 19
  L1_GND+GNDA.Cu w0.2: 56.35,5.93 55.87,5.45 45.45,5.45 45.34,5.55 44.09,5.55 43.29,6.35 42.12,6.35 39.92,8.55 38.85,8.55
Net-(C21-Pad2): length 27.1
  L1_GND+GNDA.Cu w0.2: 35.45,12.3 35.45,11.5 36.25,10.7 39.33,10.7 40.92,9.12 C21.2 ; 31.64,15.64 32.04,15.64 Q5.3
  L1_GND+GNDA.Cu w0.35: 23.2,24.08 32.28,15 32.9,15 35.35,12.55 35.35,11.8
Net-(C46-Pad1): length 99
  L1_GND+GNDA.Cu w0.35: v1(42.86,76.2) 42.99,76.2 v1(43.84,77.06)
  L6_GND.Cu w0.2: 46.12,77.4 44.35,77.4 43.85,77.9 ; 32.5,67.05 32.5,67.02 33.06,66.46
  L6_GND.Cu w0.35: 43.84,77.84 43.84,77.06 v1(43.84,77.06) ; 35.83,0.95 34.67,2.11 34.67,4.99 35.29,5.61 35.29,15.82 37.4,17.93 37.4,23.81 40.6,27.01 40.6,28.4 35.5,33.5 32.96,33.5 27.56,38.9 27.53,38.9 26.7,39.73 26.7,60.1 38.7,72.1 41.18,72.1 42.86,73.78 v1(42.86,76.2)
